# Altium PCB AIRZAI BASE BOARD REV B.PcbDoc (part 1 of 2) (continued)
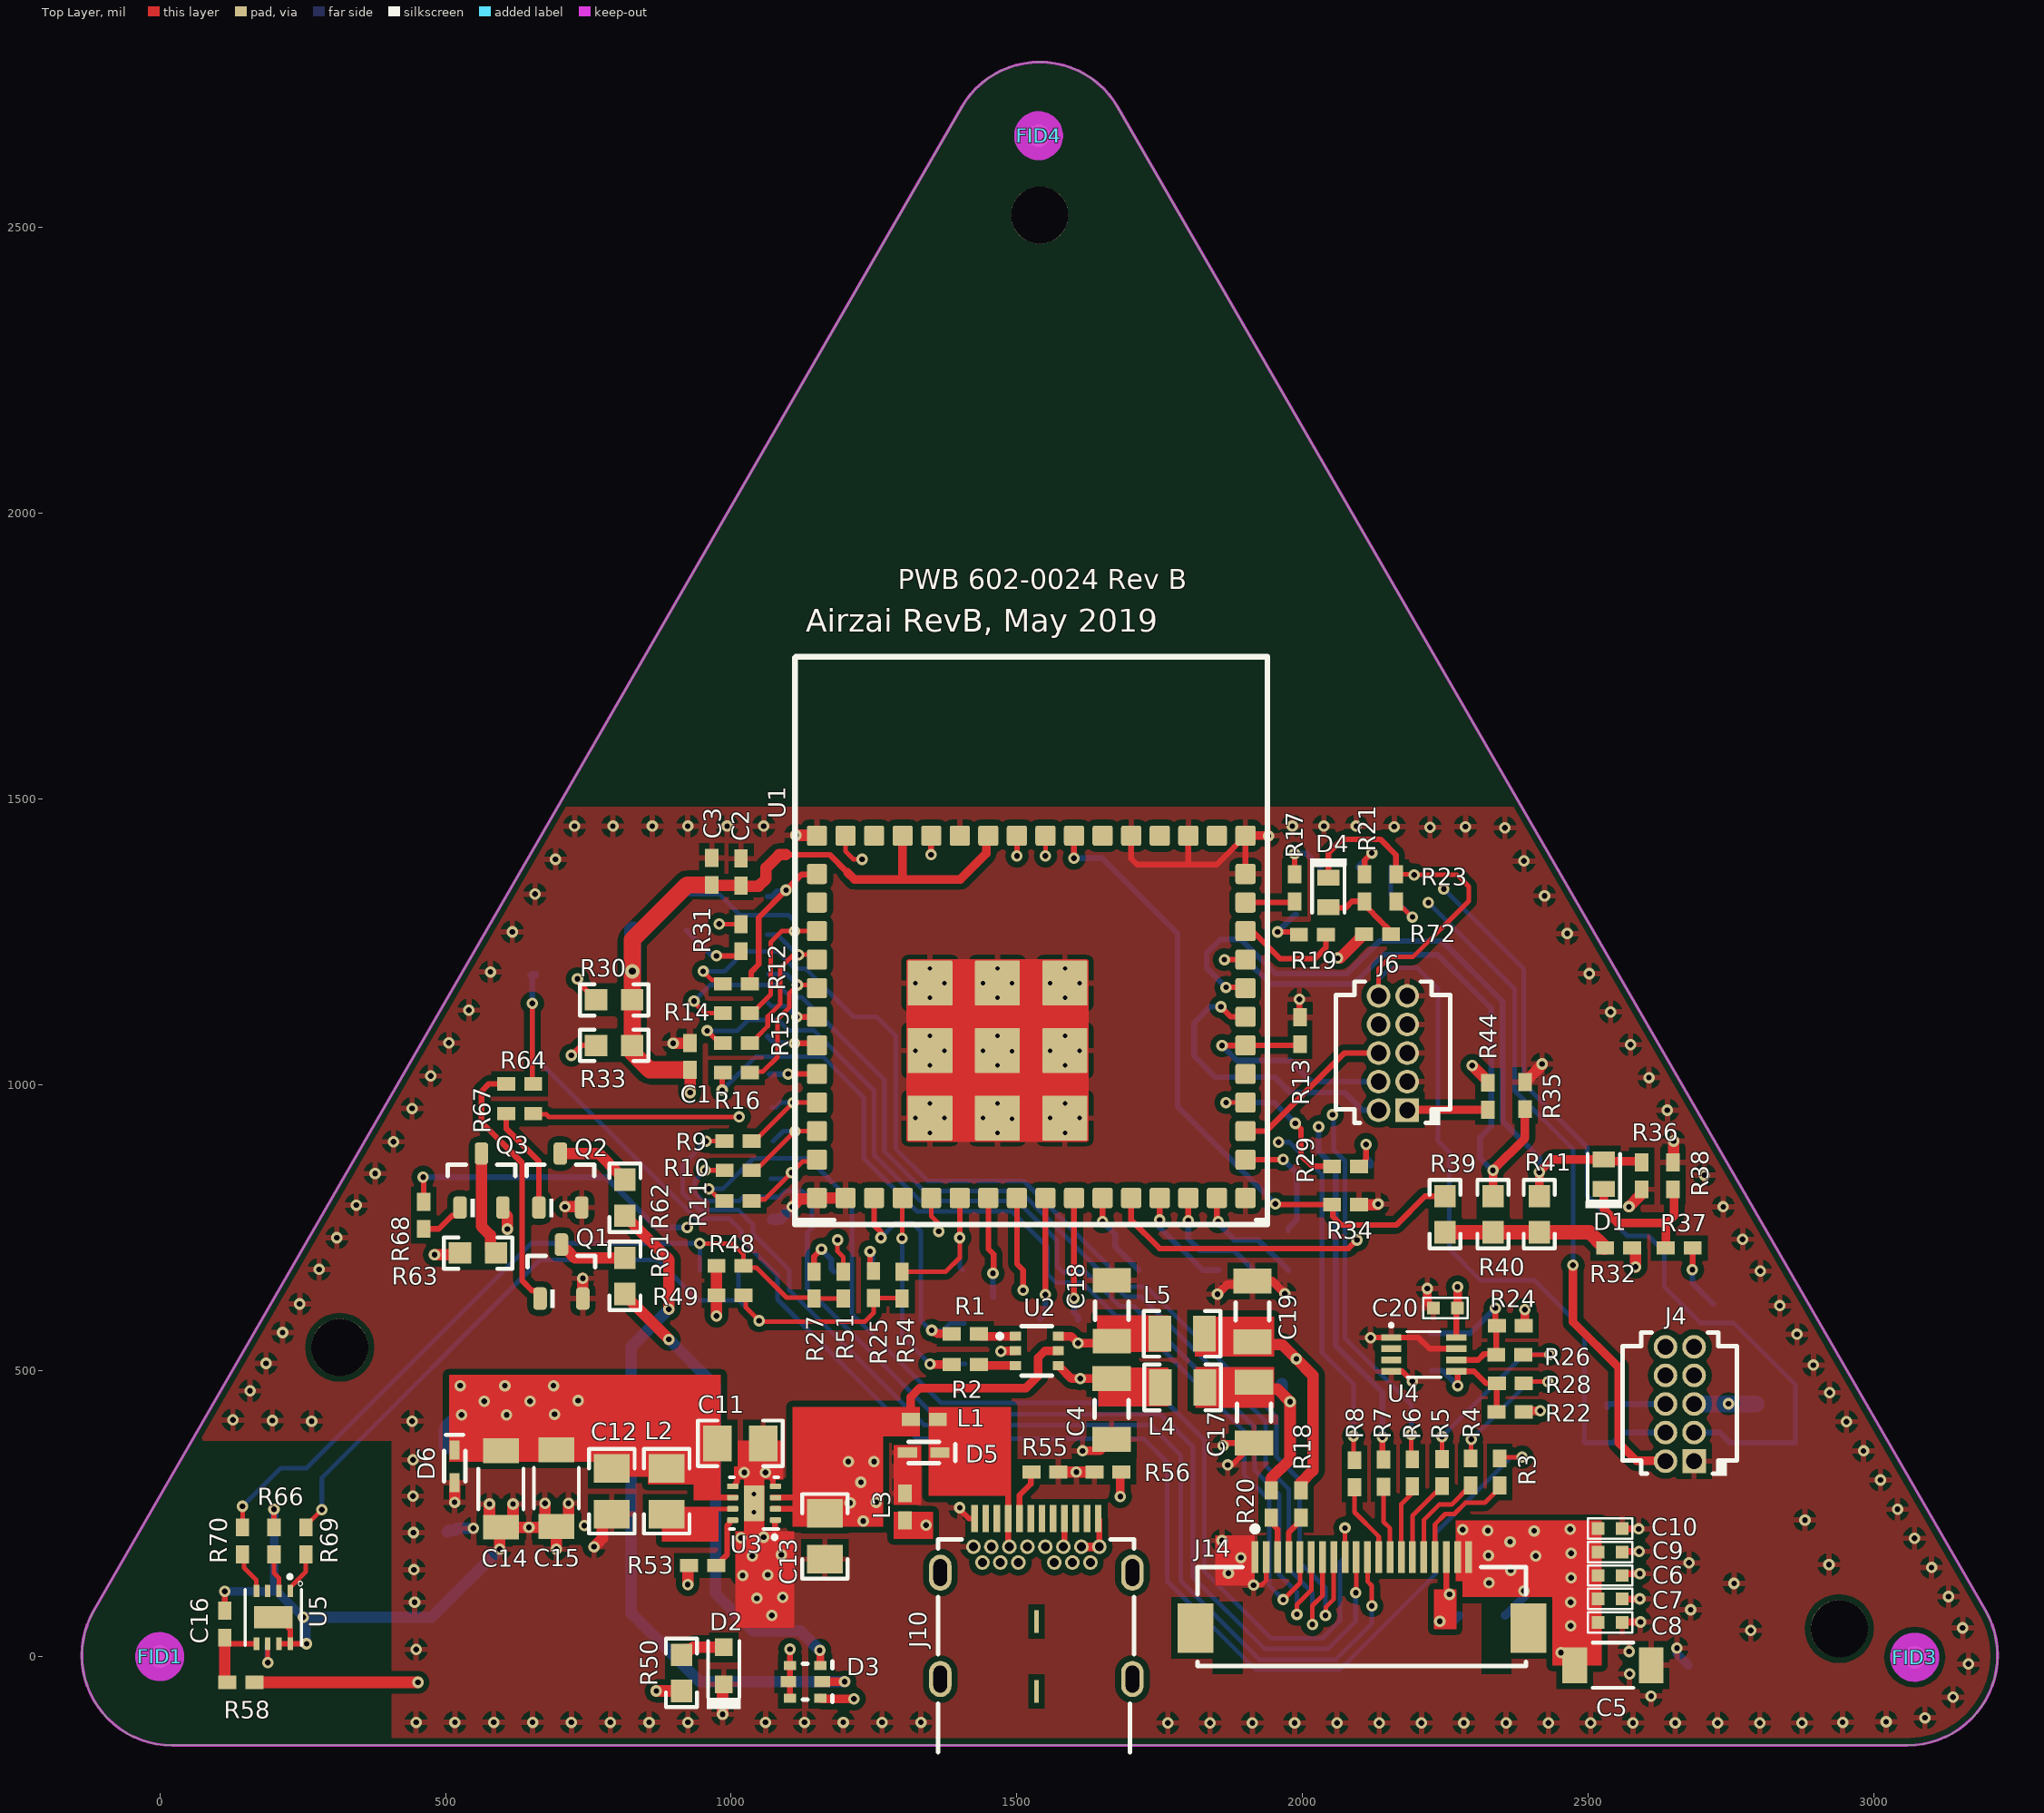
[diagram p0: Top Layer view]
## Components (designator, comment, footprint, x,y, rotation, side; value= is the part's Value field where it differs from the comment)
C1 "GRM155R61A104KA01D" 0402 928,1050 r90 top value=0.1uF
C2 "GRM155R61A104KA01D" 0402 1017.19,1372.65 r90 top value=0.1uF
C3 "GRM155R61A104KA01D" 0402 966.19,1373.65 r90 top value=0.1uF
C4 "GRM3195C1H273JA01D" 1206CAP 1665.64,433.15 r270 top value=27nF
C5 "GRM31CR60J107ME39L" 1206_180 2543,-15 r0 top value=100uF
C6 "C1005X5R0J475M050BC" SM0402_BTD.1SM_ACT_H55_CAP_WSS 2517,142 r0 top value=4.7uF
C7 "C1005X5R0J475M050BC" SM0402_BTD.1SM_ACT_H55_CAP_WSS 2517,101 r0 top value=4.7uF
C8 "C1005X5R0J475M050BC" SM0402_BTD.1SM_ACT_H55_CAP_WSS 2517,60 r0 top value=4.7uF
C9 "C1005X5R1A104K050BA" SM0402_BTD.1SM_ACT_H55_CAP_WSS 2517,183 r0 top value=0.1uF
C10 "C1005X5R1A104K050BA" SM0402_BTD.1SM_ACT_H55_CAP_WSS 2517,224 r0 top value=0.1uF
C11 "C2012X5R1C226K125AC" 0805_HV 1016,373 r0 top value=22uF
C12 "GRM21BR61A106KE19L" 0805_HV 791,289.4 r270 top value=10uF
C13 "GRM21BR61A106KE19L" 0805_HV 1164,210.4 r270 top value=10uF
C14 "GRM31CR60J107ME39L" 1206_180 597,293.4 r270 top value=100uF
C15 "GRM31CR60J107ME39L" 1206_180 694,294.78 r270 top value=100uF
C16 "GRM155R61A104KA01D" 0402 113.82,56.88 r90 top value=0.1uF
C17 "GRM3195C1H273JA01D" 1206CAP 1915,427 r270 top value=27nF
C18 "GRM3195C1H273JA01D" 1206CAP 1666,605 r90 top value=27nF
C19 "GRM3195C1H273JA01D" 1206CAP 1912,604 r90 top value=27nF
C20 "C1005X5R1A104K050BA" SM0402_BTD.1SM_ACT_H55_CAP_WSS 2271.03,609.81 r180 top value=0.1uF
D1 "CD0603-B00340" Diode_0603 2527,844 r90 top value=45V
D2 "SML-311UTT86" SML-31_Red 987,-16 r90 top value=Red
D3 "EAST1616RGBA8" EAST1616_RGB 1129.53,-44 r90 top value=Rgb
D4 "CD0603-B00340" Diode_0603 2045,1337 r270 top value=45V
D5 "UCLAMP0501H.TCT" SOD-523 1337,357 r180 top
D6 "UCLAMP3301H.TCT" SOD-523 516,333 r270 top
FID1 "Fiducial" Fiducial10-20 0,0 r90 top
FID3 "Fiducial" Fiducial10-20 3071,-1 r90 top
FID4 "Fiducial" Fiducial10-20 1538,2661 r90 top
J4 "FTSH-105-01-F-D-K" Samtec_FTSH-105-01-x-D-K 2660,442 r180 top
J6 "FTSH-105-01-F-D-K" Samtec_FTSH-105-01-x-D-K 2158,1056 r180 top
J10 "632723300011" 632723300011 1534,8 r0 top locked
J14 "52892-2033" MOLX-52892-2033 2103.66,112.22 r0 top locked
L1 "BLM15AG100SN1D" 0402 1338,415 r180 top value="10 ohm"
L2 "BRC2012T2R2MD" 0805_HV 887,289.4 r90 top value=2.2uH
L3 "BLM15AG100SN1D" 0402 1304,262 r90 top value="10 ohm"
L4 "MLF2012C101KTD25" 0805_Inductor 1790,471 r0 top value=100uH
L5 "MLF2012C101KTD25" 0805_Inductor 1789,565 r0 top value=100uH
Q1 "BSS138" SOT-23 703,673.62 r90 top value=50V
Q2 "BSS138" SOT-23 701,833 r90 top value=50V
Q3 "BSS138" SOT-23 563,833 r90 top value=50V
R1 "ERJ-2GE0R00X" 0402 1409.67,564.72 r0 top
R2 "ERJ-2GE0R00X" 0402 1409.67,511 r0 top
R3 "ERJ-2GE0R00X" 0402 2345,323 r90 top value=0
R4 "ERJ-2GE0R00X" 0402 2294,323 r90 top value=0
R5 "ERJ-2GE0R00X" 0402 2244,322 r90 top value=0
R6 "ERJ-2GE0R00X" 0402 2192,321.62 r90 top value=0
R7 "ERJ-2GE0R00X" 0402 2141.35,321 r90 top value=0
R8 "ERJ-2GE0R00X" 0402 2090.61,320 r90 top value=0
R9 "ERJ-2GE0R00X" 0402 1012,901.79 r0 top value=0
R10 "ERJ-2GE0R00X" 0402 1012.07,850.79 r0 top value=0
R11 "ERJ-2GE0R00X" 0402 1012,797.41 r0 top value=0
R12 "ERJ-2GE0R00X" 0402 1009.05,1177 r0 top value=0
R13 "CRCW0402100KJNED" 0402 1995.39,1095 r90 top value=100k
R14 "ERJ-2GE0R00X" 0402 1009,1126 r0 top value=0
R15 "ERJ-2GE0R00X" 0402 1009,1073.62 r0 top value=0
R16 "ERJ-2GE0R00X" 0402 1009,1022 r0 top value=0
R17 "ERJ-2GE0R00X" 0402 1986,1345 r270 top value=0
R18 "ERJ-2GE0R00X" 0402 1997,267 r90 top value=0
R19 "ERJ-2GE0R00X" 0402 2017,1263 r0 top value=0
R20 "ERJ-2GE0R00X" 0402 1945.02,267 r90 top value=0
R21 "ERJ-2GE0R00X" 0402 2108,1345 r270 top value=0
R22 "RMCF0402JT4K70" 0402 2363.03,427.81 r0 top
R23 "ERJ-2GE0R00X" 0402 2164,1345 r90 top value=0
R24 "RMCF0402JT4K70" 0402 2363.38,579.01 r0 top
R25 "ERJ-2GE0R00X" 0402 1249,651 r270 top value=0
R26 "ERJ-2GE0R00X" 0402 2362.38,528 r180 top
R27 "ERJ-2GE0R00X" 0402 1145,650 r270 top value=0
R28 "ERJ-2GE0R00X" 0402 2363.38,478 r180 top
R29 "ERJ-2GE0R00X" 0402 2075,857.79 r180 top value=0
R30 "RC0603JR-070RL" 0603 795,1149 r0 top value=0
R31 "ERJ-2GE0R00X" 0402 1017.19,1257.76 r90 top value=0
R32 "CRCW0402270RJNED" 0402 2553,715 r180 top value=270
R33 "RC0603JR-070RL" 0603 795,1069.39 r0 top value=0
R34 "CRCW0402100KJNED" 0402 2075,790.79 r180 top value=100k
R35 "CRCW0402100KJNED" 0402 2388.96,981.65 r90 top value=100k
R36 "CRCW0402100KJNED" 0402 2593,841 r270 top value=100k
R37 "CRCW04022K20JNED" 0402 2659,715 r0 top value=2.2k
R38 "CRCW040210K0JNED" 0402 2648,841 r90 top value=10k
R39 "RC0603JR-070RL" 0603 2249,774 r270 top value=0
R40 "RC0603JR-070RL" 0603 2333,774 r270 top value=0
R41 "RC0603JR-070RL" 0603 2414,774 r270 top value=0
R44 "CRCW04021K00JNED" 0402 2324,980.38 r270 top value=1.0k
R48 "=PartNumber" 0402 998,684 r0 top value=4.7k
R49 "=PartNumber" 0402 998,632 r0 top value=4.7k
R50 "RC0603JR-07750RL" 0603 913,-28.52 r270 top value=750
R51 "ERJ-2GE0R00X" 0402 1196,650 r270 top value=0
R53 "CRCW0402100KJNED" 0402 950,159.4 r180 top value=100k
R54 "ERJ-2GE0R00X" 0402 1299,650 r270 top value=0
R55 "CRCW040210K0JNED" 0402 1549,323 r0 top value=10k
R56 "CRCW040210K0JNED" 0402 1659.26,323 r180 top value=10k
R58 "ERJ-2GE0R00X" 0402 142,-45 r0 top value=0
R61 "RC0603JR-07750RL" 0603 814,666 r270 top value=750
R62 "RC0603JR-07750RL" 0603 814,803 r270 top value=750
R63 "RC0603JR-07750RL" 0603 557,706 r180 top value=750
R64 "ERJ-2GE0R00X" 0402 630,1002 r180 top value=0
R66 "ERJ-2GE0R00X" 0402 199.82,202.51 r270 top value=0
R67 "ERJ-2GE0R00X" 0402 630,950 r180 top value=0
R68 "ERJ-2GE0R00X" 0402 462,772 r270 top value=0
R69 "ERJ-2GE0R00X" 0402 255.82,202.51 r270 top value=0
R70 "ERJ-2GE0R00X" 0402 144.82,202.51 r270 top value=0
R72 "CRCW0402100KJNED" 0402 2131,1264 r0 top value=100k
TP1 "WIREPT" TP_0.9MM 1975,676 r90 bottom
TP2 "WIREPT" TP_0.9MM 1914,676 r90 bottom
TP3 "WIREPT" TP_0.9MM 1975,746 r90 bottom
TP4 "WIREPT" TP_0.9MM 1853,676 r90 bottom
TP6 "WIREPT" TP_0.9MM 503,369 r90 bottom
TP7 "WIREPT" TP_0.9MM 1142,369 r90 bottom
TP8 "WIREPT" TP_0.9MM 945,676 r90 bottom
TP9 "WIREPT" TP_0.9MM 1013,677 r90 bottom
TP10 "WIREPT" TP_0.9MM 2274,72 r90 bottom
TP11 "WIREPT" TP_0.9MM 2354,72 r90 bottom
TP12 "WIREPT" TP_0.9MM 652,1191 r90 bottom
TP13 "WIREPT" TP_0.9MM 1070.88,961 r90 bottom
TP14 "WIREPT" TP_0.9MM 1073,902.18 r90 bottom
TP15 "WIREPT" TP_0.9MM 1069.49,836.14 r90 bottom
TP16 "WIREPT" TP_0.9MM 1064,1085 r90 bottom
TP17 "WIREPT" TP_0.9MM 1067,1020 r90 bottom
TP18 "WIREPT" TP_0.9MM 1063,1145 r90 bottom
TP19 "WIREPT" TP_0.9MM 1676.98,486 r90 bottom
TP21 "WIREPT" TP_0.9MM 1963.75,546.25 r90 bottom
TP22 "WIREPT" TP_0.9MM 2718,617.5 r90 bottom
TP23 "WIREPT" TP_0.9MM 2031,1381 r90 bottom
TP24 "WIREPT" TP_0.9MM 1989,1298 r90 bottom
TP25 "WIREPT" TP_0.9MM 2097,1381 r90 bottom
TP26 "WIREPT" TP_0.9MM 2154,1382 r90 bottom
TP27 "WIREPT" TP_0.9MM 1242,675 r90 bottom
TP28 "WIREPT" TP_0.9MM 1180,674 r90 bottom
TP29 "WIREPT" TP_0.9MM 2119,858.72 r90 bottom
TP30 "WIREPT" TP_0.9MM 922,1271 r90 bottom
TP31 "WIREPT" TP_0.9MM 1963.75,477.65 r90 bottom
TP32 "WIREPT" TP_0.9MM 1063,1263 r90 bottom
TP33 "WIREPT" TP_0.9MM 1064,1204 r90 bottom
TP34 "WIREPT" TP_0.9MM 1064,1330 r90 bottom
TP35 "WIREPT" TP_0.9MM 922,1334 r90 bottom
TP36 "WIREPT" TP_0.9MM 188.03,19.58 r90 bottom
TP37 "WIREPT" TP_0.9MM 828,1271.56 r90 bottom
TP38 "WIREPT" TP_0.9MM 503,218 r90 bottom
TP39 "WIREPT" TP_0.9MM 2097,1300 r90 bottom
TP40 "WIREPT" TP_0.9MM 1073,765 r90 bottom
TP41 "WIREPT" TP_0.9MM 2675,-15 r90 bottom
TP42 "WIREPT" TP_0.9MM 1028,369 r90 bottom
TP43 "WIREPT" TP_0.9MM 2493,376.6 r90 bottom
TP44 "WIREPT" TP_0.9MM 2533,442 r90 bottom
TP45 "WIREPT" TP_0.9MM 2320,9 r90 bottom
TP46 "WIREPT" TP_0.9MM 2862,374 r90 bottom
TP47 "WIREPT" TP_0.9MM 2793,442 r90 bottom
TP48 "WIREPT" TP_0.9MM 1408,582.85 r90 bottom
TP49 "WIREPT" TP_0.9MM 1410,513 r90 bottom
TP50 "WIREPT" TP_0.9MM 1541,591.22 r90 bottom
TP51 "WIREPT" TP_0.9MM 1607,589 r90 bottom
TP53 "WIREPT" TP_0.9MM 1405,676 r90 bottom
TP54 "WIREPT" TP_0.9MM 1458.54,629 r90 bottom
TP55 "WIREPT" TP_0.9MM 1511,676 r90 bottom
TP56 "WIREPT" TP_0.9MM 1713,676 r90 bottom
TP57 "WIREPT" TP_0.9MM 828,1337 r90 bottom
TP58 "WIREPT" TP_0.9MM 1676.98,557.85 r90 bottom
TP60 "TESTPOINT" TP_0.9MM 2224,566 r90 bottom
TP61 "TESTPOINT" TP_0.9MM 2225.35,500.19 r90 bottom
U1 "CC3220MODASF12MONR" MON0063A 1525,1266 r90 top locked
U2 "NC7WZ17P6X" SC-70-NC7WZ17P6X 1535,535 r270 top
U3 "TPS62162DSGR" DSG0008A 1040,268.4 r180 top
U4 "Apple CP" XDFN-8P-Apple 2212.03,528.81 r0 top
U5 "SHT30-DIS-B" DFN250X250X100-9N 198.82,68.79 r270 top

## Footprints (in the part's own frame and the unit in brackets; to place one, negate y for a bottom-side part, rotate by r counter-clockwise, add the part's x,y. Pads: shape width x height; smd on the part's side, far side on the other; paste and mask are expansions set on the pad)
0402 [mm] "0402 from SM-752 data"
  rect 0.8x0.6 smd: 1(-0.6,0) 2(0.6,0)
  body extent -0.55,-0.3 0.55,0.3, height 0.6
0603 [mm] "0603 from SM-752 data"
  rect 1x0.95 smd: 1(-0.8,0) 2(0.8,0)
  silkscreen extent -1.52,-0.69 1.52,0.69, body extent -0.87,-0.47 0.87,0.47, height 0.85
0805_HV [mil] "0805 with 30mil clearance between pads"
  rect 50x63 smd: 1(-40,0) 2(40,0)
  silkscreen extent -74,-40 74,40, body extent -43,-29 43,29, height 43
0805_Inductor [mil] "0805 with 30mil clearance between pads"
  rect 39.37x63 smd: 1(-39,0) 2(39,0)
  silkscreen extent -67,-40 67,40, body extent -43,-29 43,29, height 43
1206_180 [mm]
  rect 1.1x1.6 smd: 1(-1.7,0) 2(1.7,0)
  silkscreen extent -0.9,-1 0.9,1, body extent -1.75,-0.95 1.75,0.95, height 1.8
1206CAP [mm] "Chip Capacitor, Body 3.2x1.6mm, IPC High Density"
  rect 1.1x1.7 smd: 1(-1.35,0) 2(1.35,0)
  silkscreen extent -0.4,-0.75 0.4,0.75, body extent -1.6,-0.8 1.6,0.8, height 1
632723300011 [mm] "USB 3.1 Type C Receptacle Horizontal THR"
  rect 0.3x1.2 smd: A1(-2.75,5.93) A2(-2.25,5.93) A3(-1.75,5.93) A4(-1.25,5.93) A5(-0.75,5.93) A6(-0.25,5.93) A7(0.25,5.93) A8(0.75,5.93) A9(1.25,5.93) A10(1.75,5.93) A11(2.25,5.93) A12(2.75,5.93)
  round 0.65 hole 0.4: B1(2.8,4.68) B2(2.4,3.98) B3(1.6,3.98) B4(1.2,4.68) B5(0.8,3.98) B6(0.4,4.68) B7(-0.4,4.68) B8(-0.8,3.98) B9(-1.2,4.68) B10(-1.6,3.98) B11(-2.4,3.98) B12(-2.8,4.68) G1(2,4.68) G2(-2,4.68)
  oval 1x1.6 hole 0.6 slot 1.2 at 90 deg: Shell(-4.27,-1.2) Shell(-4.27,3.53) Shell(4.27,-1.2) Shell(4.27,3.53)
  rect 0.2x1 smd: Shell(0,-1.75) Shell(0,1.35)
  silkscreen extent -4.37,-4.45 4.34,5, body extent -4.37,-5.6 4.37,6.19, height 3.05
DFN250X250X100-9N [mm]
  rect 0.55x0.25 smd: 1(-1.175,0.75) 2(-1.175,0.25) 3(-1.175,-0.25) 4(-1.175,-0.75) 5(1.175,-0.75) 6(1.175,-0.25) 7(1.175,0.25) 8(1.175,0.75)
  rect 1x1.7 smd: 9(0,0)
  silkscreen extent -1.84,-1.25 1.25,1.3
Diode_0603 [mm] "Based on Bourns recommended land pattern Rev 10/09"
  rect 0.7x1 smd: 1(-0.65,0) 2(0.65,0)
  silkscreen extent -1.5,-0.8 0.9,0.8, body extent -0.9,-0.5 0.9,0.5, height 0.85
DSG0008A [mm]
  rrect40% 0.5x0.25 smd: 1(-0.95,0.75) 2(-0.95,0.25) 3(-0.95,-0.25) 4(-0.95,-0.75) 5(0.95,-0.75) 6(0.95,-0.25) 7(0.95,0.25) 8(0.95,0.75)
  rrect11% 0.9x1.6 smd paste-0.45: 9(0,0)
  silkscreen extent -1.07,-1.15 1.07,1.15, body extent -1.05,-1.05 1.05,1.05, height 0.8
EAST1616_RGB [mm]
  rect 0.4x0.55 smd: 1(-0.725,0.675) 2(-0.725,-0.675) 5(0.725,0.675) 6(0.725,-0.675)
  rect 0.5x0.7 smd: 3(0,0.75) 4(0,-0.75)
  silkscreen extent -0.9,-1.2 0.9,0.1, body extent -0.8,-0.8 0.8,0.8, height 0.5
Fiducial10-20 [mm]
  round 1 smd mask+0.5: 1(0,0)
  Top Layer keep-out circle w1.178: c0,0 r0.5
MOLX-52892-2033 [mm] "FPC Connector, 20-Leads, Right Angle, Pitch 0.5 mm, Mated Height 2.0 mm, SMT"
  rect 0.3x1.4 smd: 1(-4.75,1.575) 2(-4.25,1.575) 3(-3.75,1.575) 4(-3.25,1.575) 5(-2.75,1.575) 6(-2.25,1.575) 7(-1.75,1.575) 8(-1.25,1.575) 9(-0.75,1.575) 10(-0.25,1.575) 11(0.25,1.575) 12(0.75,1.575) 13(1.25,1.575) 14(1.75,1.575) 15(2.25,1.575) 16(2.75,1.575) 17(3.25,1.575) 18(3.75,1.575) 19(4.25,1.575) 20(4.75,1.575)
  rect 1.6x2.2 smd: MP1(-7.4,-1.575) MP2(7.4,-1.575)
  silkscreen extent -7.3,-3.28 7.3,2.95, body extent -7.7,-3.77 7.7,1.73, height 2.05
MON0063A [mm]
  rrect22% 0.9x0.9 smd paste-0.05 mask-0.05: 1(-11.774,9.524) 2(-11.774,8.255) 3(-11.774,6.985) 4(-11.774,5.715) 5(-11.774,4.445) 6(-11.774,3.175) 7(-11.774,1.905) 8(-11.774,0.635) 9(-11.774,-0.635) 10(-11.774,-1.905) 11(-11.774,-3.175) 12(-11.774,-4.445) 13(-11.774,-5.715) 14(-11.774,-6.985) 15(-11.774,-8.255) 16(-11.774,-9.524) 17(-10.074,-9.524) 18(-8.804,-9.524) 19(-7.534,-9.524) 20(-6.264,-9.524) 21(-4.994,-9.524) 22(-3.724,-9.524) 23(-2.454,-9.524) 24(-1.184,-9.524) 25(0.086,-9.524) 26(1.356,-9.524) 27(2.626,-9.524) 28(4.326,-9.524) 29(4.326,-8.255) 30(4.326,-6.985) 31(4.326,-5.715) 32(4.326,-4.445) 33(4.326,-3.175) 34(4.326,-1.905) 35(4.326,-0.635) 36(4.326,0.635) 37(4.326,1.905) 38(4.326,3.175) 39(4.326,4.445) 40(4.326,5.715) 41(4.326,6.985) 42(4.326,8.255) 43(4.326,9.524) 44(2.626,9.524) 45(1.356,9.524) 46(0.086,9.524) 47(-1.184,9.524) 48(-2.454,9.524) 49(-3.724,9.524) 50(-4.994,9.524) 51(-6.264,9.524) 52(-7.534,9.524) 53(-8.804,9.524) 54(-10.074,9.524)
  rrect50% 0.89x0.89 on Top Paste: 55(-8.774,3.95) 55(-7.674,3.95) 56(-8.774,0.95) 56(-8.774,2.05) 56(-7.674,0.95) 56(-7.674,2.05) 57(-8.774,-2.05) 57(-8.774,-0.95) 57(-7.674,-2.05) 57(-7.674,-0.95) 58(-5.774,3.95) 58(-5.774,5.05) 58(-4.674,3.95) 58(-4.674,5.05) 59(-5.774,0.95) 59(-5.774,2.05) 59(-4.674,0.95) 59(-4.674,2.05) 60(-5.774,-2.05) 60(-5.774,-0.95) 60(-4.674,-2.05) 60(-4.674,-0.95) 61(-2.774,3.95) 61(-2.774,5.05) 61(-1.674,3.95) 61(-1.674,5.05) 62(-2.774,0.95) 62(-2.774,2.05) 62(-1.674,0.95) 62(-1.674,2.05) 63(-2.774,-2.05) 63(-2.774,-0.95) 63(-1.674,-2.05) 63(-1.674,-0.95)
  rrect5% 2x2 smd paste-1 mask-1: 55(-8.224,4.5)
  rrect5% 2x2 smd paste-1 mask+0: 56(-8.224,1.5) 57(-8.224,-1.5) 58(-5.224,4.5) 59(-5.224,1.5) 60(-5.224,-1.5) 61(-2.224,4.5) 62(-2.224,1.5) 63(-2.224,-1.5)
  Top Layer region: -9.274,-2.45 -9.274,5.45 -9.274,5.47 -9.259,5.507 -9.231,5.535 -9.194,5.55 -9.174,5.55 -9.174,5.55 -1.274,5.55 -1.254,5.55 -1.217,5.535 -1.189,5.507 -1.174,5.47 -1.174,5.45 -1.174,5.45 -1.174,-2.45 -1.174,-2.47 -1.189,-2.507 -1.217,-2.535 -1.254,-2.55 -1.274,-2.55 -1.274,-2.55 -9.174,-2.55 -9.194,-2.55 -9.231,-2.535 -9.259,-2.507 -9.274,-2.47 -9.274,-2.45
  silkscreen extent -12.75,-10.5 -11.25,10.5, body extent -12.5,-10.25 12.5,10.25, height 2.32
Samtec_FTSH-105-01-x-D-K [mm]
  rect 1.05x1.05 hole 0.71: 1(-0.635,2.54)
  round 1.05 hole 0.71: 2(0.635,2.54) 3(-0.635,1.27) 4(0.635,1.27) 5(-0.635,0) 6(0.635,0) 7(-0.635,-1.27) 8(0.635,-1.27) 9(-0.635,-2.54) 10(0.635,-2.54)
  silkscreen extent -2.54,-3.17 2.54,3.2, body extent -2.54,-3.17 2.54,3.1, height 5.73
SC-70-NC7WZ17P6X [mm]
  rect 0.4x0.5 smd paste+0 mask+0: 1(-0.65,-0.95) 2(0,-0.95) 3(0.65,-0.95) 4(0.65,0.95) 5(0,0.95) 6(-0.65,0.95)
  silkscreen extent -1.1,-1.75 1.1,0.67, body extent -1.2,-1.3 1.2,1.3, height 0.25
SM0402_BTD.1SM_ACT_H55_CAP_WSS [mil]
  rect 22x22 smd mask+4: 1(0,0) 2(42,0)
  silkscreen extent -18,-18 60,18, body extent -1,-10 44,10, height 26
SML-31_Red [mm] "Rohm"
  rect 0.8x0.8 smd: 1(-0.825,0) 2(0.825,0)
  silkscreen extent -1.93,-0.76 1.1,0.76, body extent -0.85,-0.45 0.85,0.45, height 0.91
SOD-523 [mm] "SOD, 2-Leads"
  rect 0.85x0.45 smd: A(0.725,0) K(-0.725,0)
  silkscreen extent -1.4,-0.48 0.67,0.48, body extent -0.9,-0.45 0.9,0.45, height 0.6
SOT-23 [mm]
  rrect50% 1x0.6 smd: 1(-1.2,0.95) 2(-1.2,-0.95) 3(1.2,0)
  silkscreen extent -1.62,-1.5 0.7,1.5, body extent -1.16,-1.45 1.21,1.45, height 1
TP_0.9MM [mm]
  round 0.9 smd paste-5 mask+0.05: 1(0,0)
  silkscreen extent -0.56,-0.56 0.56,0.56
XDFN-8P-Apple [mm] "XDFN, 8-Leads, Body 3.00x2.00mm, Pitch 0.50mm, IPC Medium Density"
  rect 0.9x0.3 smd: 1(-1.45,0.75) 2(-1.45,0.25) 3(-1.45,-0.25) 4(-1.45,-0.75) 5(1.45,-0.75) 6(1.45,-0.25) 7(1.45,0.25) 8(1.45,0.75)
  silkscreen extent -1.5,-1.02 0.76,1.35, body extent -1.5,-1 1.5,1, height 0.41

## Part data
C1 C2 C3 C16: "CAP, CERM, 0.1 µF, 10 V, +/- 10%, X5R, 0402", Cap_Case=0402, Manufacturer=MuRata, Supplier Part Number 1=490-1318-1-ND, TempCo=X5R, Tolerance_%=10, Value1=Unknown, Value2=10V, ValueDisplayed=0.1µF, AEC Category=Q200, AEC Qualified=?, Cap_F=0.0000001, ComponentLink1Description="Datasheet link", ComponentLink1URL=http://search.murata.co.jp/Ceramy/PnsearchViewAction.do?HnOFG=ON&HnNFG=ON&SEL_CNT=50&sLang=en&sKey=GRM155R61A104KA01D&x=9&y=9&search=startwith, CompType=Capacitor, LatestRevisionDate=2016-08-14, MountType=SMT, PackageReference=0402, PartNumber=GRM155R61A104KA01D, Polarized=N, Published=2008-06-19, Publisher="Texas Instruments", RoHS=Y, SizeArea_mm2=0.5, SizeAreaWB_mm2=3, SizeX_mm=1, SizeY_mm=0.5, SizeZ_mm=0.6, Supplier 1=Digi-Key, Supplier 2=Mouser, Supplier 3=Farnell, Supplier Part Number 2=81-GRM155R61A104KA01, Supplier Part Number 3=1828862, SymbolVersion=2008-07-09, TaMax_C=85, TaMin_C=-55, Technology=Ceramic, U/M=EA, VDC_V=10
C4 C17 C18 C19: "1206 27 nF 50 V ±5% Tolerance C0G SMT Multilayer Ceramic Capacitor", Package="1206 Murata", Availability=Unavailable, MF="Murata Electronics", MP=GRM3195C1H273JA01D, Price=None, SnapEDA_Link=https://www.snapeda.com/parts/GRM3195C1H273JA01D/Murata%20Electronics%20North%20America/view-part/?ref=snap
C5: "CAP, CERM, 100 µF, 6.3 V, +/- 20%, X5R, 1206", Cap_Case=1206, Manufacturer=MuRata, Supplier Part Number 1=490-4539-1-ND, TempCo=X5R, Tolerance_%=20, Value1="0.003 ohm", Value2=6.3V, ValueDisplayed=100µF, AEC Category=Q200, AEC Qualified=?, Cap_F=0.0001, ComponentLink1Description="Datasheet link", ComponentLink1URL=http://search.murata.co.jp/Ceramy/PnsearchViewAction.do?HnOFG=ON&HnNFG=ON&SEL_CNT=50&sLang=en&sKey=GRM31CR60J107ME39L&x=9&y=9&search=startwith, CompType=Capacitor, ESR_ohm=0.003, LatestRevisionDate=2016-07-02, MountType=SMT, PackageReference=1206, PartNumber=GRM31CR60J107ME39L, Polarized=N, Published=2008-06-19, Publisher="Texas Instruments", RoHS=Y, SizeArea_mm2=5.12, SizeAreaWB_mm2=10.92, SizeX_mm=3.2, SizeY_mm=1.6, SizeZ_mm=1.8, Supplier 1=Digi-Key, Supplier 2=Mouser, Supplier 3=Farnell, Supplier Part Number 2=81-GRM31CR60J107ME9L, Supplier Part Number 3=1735535, SymbolVersion=2008-07-09, TaMax_C=85, TaMin_C=-55, Technology=Ceramic, U/M=EA, VDC_V=6.3
C6: "CAP, CERM, 4.7 µF, 6.3 V, +/- 20%, X5R, 0402", Manufacturer=TDK, PartNumber=C1005X5R0J475M050BC
C7 C8: "CAP, CERM, 4.7 µF, 6.3 V, +/- 20%, X5R, 0402", Cap_Case=0402, Manufacturer=TDK, Supplier Part Number 1=445-7395-1-ND, TempCo=X5R, Tolerance_%=20, Value1=Unknown, Value2=6.3V, ValueDisplayed=4.7µF, Cap_F=0.0000047, ComponentLink1Description="Datasheet link", ComponentLink1URL=http://www.tdk.com/pdf/TDKMLCCCapRange.pdf, CompType=Capacitor, LatestRevisionDate=2015-02-23, MountType=SMT, PackageReference=0402, PartNumber=C1005X5R0J475M050BC, Polarized=N, Published=2008-06-19, Publisher="Texas Instruments", RoHS=Y, Supplier 1=Digi-Key, Supplier 2=Farnell, Supplier 3=Newark, Supplier Part Number 2=1962109, Supplier Part Number 3=48T2906, SymbolVersion=2008-07-09, TaMax_C=85, TaMin_C=-55, Technology=Ceramic, U/M=EA, VDC_V=6.3
C9: "CAP, CERM, 0.1 µF, 10 V, +/- 10%, X5R, 0402", Cap_Case=0402, Manufacturer=TDK, Supplier Part Number 1=445-1265-1-ND, TempCo=X5R, Tolerance_%=10, Value1=Unknown, Value2=10V, ValueDisplayed=0.1µF, Cap_F=0.0000001, ComponentLink1Description="Datasheet link", ComponentLink1URL=http://product.tdk.com/en/catalog/datasheets/mlcc_commercial_general_en.pdf, CompType=Capacitor, LatestRevisionDate=2015-02-23, MountType=SMT, PackageReference=0402, PartNumber=C1005X5R1A104K050BA, Polarized=N, Published=2008-06-19, Publisher="Texas Instruments", RoHS=Y, Supplier 1=Digi-Key, Supplier 2=Mouser, Supplier 3=Farnell, Supplier Part Number 2=810-C1005X5R1A104K, Supplier Part Number 3=2368215, SymbolVersion=2008-07-09, TaMax_C=85, TaMin_C=-55, Technology=Ceramic, U/M=EA, VDC_V=10
C10 C20: "CAP, CERM, 0.1 µF, 10 V, +/- 10%, X5R, 0402", Cap_Case=SM0402_BTD.1SM_ACT, Manufacturer=TDK, Supplier Part Number 1=445-1265-1-ND, TempCo=X5R, Tolerance_%=10, Value1=Unknown, Value2=10V, ValueDisplayed=0.1µF, Cap_F=0.0000001, ComponentLink1Description="Datasheet link", ComponentLink1URL=http://product.tdk.com/en/catalog/datasheets/mlcc_commercial_general_en.pdf, CompType=Capacitor, LatestRevisionDate=2015-02-23, MountType=SMT, PackageReference=0402, PartNumber=C1005X5R1A104K050BA, Polarized=N, Published=2008-06-19, Publisher="Texas Instruments", RoHS=Y, Supplier 1=Digi-Key, Supplier 2=Mouser, Supplier 3=Farnell, Supplier Part Number 2=810-C1005X5R1A104K, Supplier Part Number 3=2368215, SymbolVersion=2008-07-09, TaMax_C=85, TaMin_C=-55, Technology=Ceramic, U/M=EA, VDC_V=10
C11: "CAP, CERM, 22 µF, 16 V, +/- 10%, X5R, 0805", Cap_Case=0805, Manufacturer=TDK, Supplier Part Number 1=445-6797-1-ND, TempCo=X5R, Tolerance_%=10, Value1=Unknown, Value2=16V, ValueDisplayed=22µF, AEC Category=Q200, AEC Qualified=?, Cap_F=0.000022, ComponentLink1Description="Datasheet link", ComponentLink1URL=http://product.tdk.com/capacitor/mlcc/en/documents/C2012X5R1C226K125AC.pdf, CompType=Capacitor, LatestRevisionDate=2016-07-02, MountType=SMT, PackageReference=0805, PartNumber=C2012X5R1C226K125AC, Polarized=N, Published=2008-06-19, Publisher="Texas Instruments", RoHS=Y, SizeArea_mm2=2.5, SizeAreaWB_mm2=6.75, SizeX_mm=2, SizeY_mm=1.25, SizeZ_mm=1.45, Supplier 1=Digi-Key, Supplier 2=Mouser, Supplier 3=Farnell, Supplier Part Number 2=810-C2012X5R1C226K, Supplier Part Number 3=2346925, SymbolVersion=2008-07-09, TaMax_C=85, TaMin_C=-55, Technology=Ceramic, U/M=EA, VDC_V=16
C12 C13: "CAP, CERM, 10 µF, 10 V, +/- 10%, X5R, 0805", Cap_Case=0805, Manufacturer=MuRata, Supplier Part Number 1=490-1709-1-ND, TempCo=X5R, Tolerance_%=10, Value1="0.002 ohm", Value2=10V, ValueDisplayed=10µF, AEC Category=Q200, AEC Qualified=?, Cap_F=0.00001, ComponentLink1Description="Datasheet link", ComponentLink1URL=http://search.murata.co.jp/Ceramy/PnsearchViewAction.do?HnOFG=ON&HnNFG=ON&SEL_CNT=50&sLang=en&sKey=GRM21BR61A106KE19L&x=9&y=9&search=startwith, CompType=Capacitor, ESR_ohm=0.002, LatestRevisionDate=2016-07-02, MountType=SMT, PackageReference=0805, PartNumber=GRM21BR61A106KE19L, Polarized=N, Published=2008-06-19, Publisher="Texas Instruments", RoHS=Y, SizeArea_mm2=2.5, SizeAreaWB_mm2=6.75, SizeX_mm=2, SizeY_mm=1.25, SizeZ_mm=1.45, Supplier 1=Digi-Key, Supplier 2=Mouser, Supplier 3=Farnell, Supplier Part Number 2=81-GRM21BR61A106KE19, Supplier Part Number 3=1828805, SymbolVersion=2008-07-09, TaMax_C=85, TaMin_C=-55, Technology=Ceramic, U/M=EA, VDC_V=10
C14 C15: "CAP, CERM, 100 µF, 6.3 V, +/- 20%, X5R, 1206", Cap_Case=1206, Manufacturer=MuRata, Supplier Part Number 1=81-GRM31CR60J107ME9L, TempCo=X5R, Tolerance_%=20, Value1="0.003 ohm", Value2=6.3V, ValueDisplayed=100µF, AEC Category=Q200, AEC Qualified=?, Cap_F=0.0001, ComponentLink1Description="Datasheet link", ComponentLink1URL=http://search.murata.co.jp/Ceramy/PnsearchViewAction.do?HnOFG=ON&HnNFG=ON&SEL_CNT=50&sLang=en&sKey=GRM31CR60J107ME39L&x=9&y=9&search=startwith, CompType=Capacitor, ESR_ohm=0.003, LatestRevisionDate=2016-07-02, MountType=SMT, PackageReference=1206, PartNumber=GRM31CR60J107ME39L, Polarized=N, Published=2008-06-19, Publisher="Texas Instruments", RoHS=Y, SizeArea_mm2=5.12, SizeAreaWB_mm2=10.92, SizeX_mm=3.2, SizeY_mm=1.6, SizeZ_mm=1.8, Supplier 1=Mouser, Supplier 2=Farnell, Supplier 3=Digi-Key, Supplier Part Number 2=1735535, Supplier Part Number 3=490-13981-6-ND, SymbolVersion=2008-07-09, TaMax_C=85, TaMin_C=-55, Technology=Ceramic, U/M=EA, VDC_V=6.3
D1 D4: "Diode, Schottky, 45 V, 0.03 A, 0603 Diode", Manufacturer=Bourns, Supplier Part Number 1=652-CD0603-B00340, Value1=0.03A, Value2=0.37V, AEC Category=Q101, AEC Qualified=?, ComponentLink1Description="Datasheet link", ComponentLink1URL=http://www.bourns.com/pdfs/SBCD0603_1005.pdf, CompType=Diode, Io_A=0.03, LatestRevisionDate=2016-07-03, MountType=SMT, PackageReference="0603 Diode", PartNumber=CD0603-B00340, Published=2008-06-26, Publisher="Texas Instruments", RoHS=Y, SizeArea_mm2=1.53, SizeAreaWB_mm2=5.13, SizeX_mm=1.7, SizeY_mm=0.9, SizeZ_mm=0.75, Supplier 1=Mouser, Supplier 2=Farnell, Supplier Part Number 2=1456534, SymbolVersion=2008-12-08, TJmax_C=125, Type=Schottky, U/M=EA, Vf_V=0.37, Vr_V=45
D2: "LED, Red, SMD", Color=red, Manufacturer=Rohm, Supplier Part Number 1=511-1304-1-ND, Value1=W, Value2=1.8V, ComponentLink1Description="Datasheet link", ComponentLink1URL=http://rohmfs.rohm.com/en/products/databook/datasheet/opto/led/chip_mono/sml-31.pdf, CompType=LED, Io_A=0.002, LatestRevisionDate=2016-06-29, MountType=SMT, PackageReference="LED, 1.6x.8x.8mm", PartNumber=SML-311UTT86, Published=2008-07-11, Publisher="Texas Instruments", RoHS=Y, Supplier 1=Digi-Key, Supplier 2=Mouser, Supplier 3=Farnell, Supplier Part Number 2=755-SML-311UTT86, Supplier Part Number 3=1685068, SymbolVersion=2008-11-06, Type=AlInGaP, U/M=EA, Vf_V=1.8
D3: "LED, Rgb, SMD", Color=RGB, Manufacturer=Everlight, Value1=W, Value2=3.7V, Angle=120, ComponentLink1Description="Datasheet link", ComponentLink1URL=https://everlightamericas.com/index.php?controller=attachment&id_attachment=2142, CompType=LED, Io_A=0.025, Ir_A=5e-005, LatestRevisionDate=2016-08-05, MountType=SMT, PackageReference=1.6x1.6mm, PartNumber=EAST1616RGBA8, Published=2008-07-11, Publisher="Texas Instruments", RoHS=Y, SizeArea_mm2=2.56, SizeAreaWB_mm2=6.76, SizeX_mm=1.6, SizeY_mm=1.6, SizeZ_mm=0.45, SymbolCreator=Altium, SymbolVersion=2016-08-05, TJmax_C=85, Type=InGaN, U/M=EA, Vf_V=3.7, Vr_V=5
D5: "TVS DIODE 5V 12.5V SOD523", Breakdown Voltage=6V, Capacitance=160pF, Clamping Voltage=12.5V, Leakage Current=5uA, Manufacturer=Semtech, Max Operating Temperature=125°C, Max Power Dissipation=240W, Min Operating Temperature=-55°C, Peak Pulse Current=16A, Power Line Protection=No, Reverse Standoff Voltage=5V, Supplier Part Number 1=UCLAMP0501HDKR-ND, Test Current=1mA, ComponentLink1Description=https://www.semtech.com/uploads/documents/uclamp3301h.pdf?src-supplier=Digi-Key, ComponentLink1URL=https://www.semtech.com/uploads/documents/uclamp3301h.pdf?src-supplier=Digi-Key, ComponentLink2Description=https://www.verical.com/server-webapp/html/getDatasheet?partID=141337&src-supplier=Verical, ComponentLink2URL=https://www.verical.com/server-webapp/html/getDatasheet?partID=141337&src-supplier=Verical, ComponentLink3Description=http://www.semtech.com/images/datasheet/uclamp3301h.pdf?src-supplier=Avnet, ComponentLink3URL=http://www.semtech.com/images/datasheet/uclamp3301h.pdf?src-supplier=Avnet, ComponentLink4Description=http://www.semtech.com/images/datasheet/uclamp0501h.pdf?src-supplier=Future+Electronics, ComponentLink4URL=http://www.semtech.com/images/datasheet/uclamp0501h.pdf?src-supplier=Future+Electronics, ComponentLink5Description=https://www.verical.com/server-webapp/html/getDatasheet?partID=51047&src-supplier=Verical, ComponentLink5URL=https://www.verical.com/server-webapp/html/getDatasheet?partID=51047&src-supplier=Verical, ComponentLink6Description=http://www.semtech.com/images/datasheet/uclamp0501h.pdf?src-supplier=Digi-Key, ComponentLink6URL=http://www.semtech.com/images/datasheet/uclamp0501h.pdf?src-supplier=Digi-Key, ComponentLink7Description=https://www.semtech.com/uploads/documents/uclamp0501h.pdf?src-supplier=Digi-Key, ComponentLink7URL=https://www.semtech.com/uploads/documents/uclamp0501h.pdf?src-supplier=Digi-Key, ComponentLink8Description=http://www.semtech.com/images/datasheet/uclamp0501h.pdf?src-supplier=Element14, ComponentLink8URL=http://www.semtech.com/images/datasheet/uclamp0501h.pdf?src-supplier=Element14, ComponentLink9Description=http://www.farnell.com/datasheets/1796175.pdf?src-supplier=Element14, ComponentLink9URL=http://www.farnell.com/datasheets/1796175.pdf?src-supplier=Element14, ComponentLink10Description=http://www.semtech.com/images/datasheet/uclamp0501h.pdf?src-supplier=Avnet, ComponentLink10URL=http://www.semtech.com/images/datasheet/uclamp0501h.pdf?src-supplier=Avnet, Composition=Zener, Depth=0.9mm, Direction=Unidirectional, Element Configuration=Single, Lead Free="Lead Free", Length=1.3mm, Manufacturer Part Number=UCLAMP0501H.TCT, Max Breakdown Voltage=6V, Min Breakdown Voltage=6V, Mount="Surface Mount", Number of Channels=1, Number of Elements=1, Number of Pins=2, Number of Unidirectional Channels=1, Packaging="Tape and Reel", PartNumber=UCLAMP0501H.TCT, Peak Pulse Power=240W, Polarity=Unidirectional, Pricing 1="1=0.65, 10=0.568, 25=0.5028, 100=0.438, 250=0.38124, 500=0.32446, 1000=0.25956 (USD)", Radiation Hardening=No, REACH SVHC="No SVHC", Reverse Breakdown Voltage=6V, Stock 1=63859, Supplier 1=Digi-Key, Voltage Rating (DC)=5V, Width=900um, Working Voltage=5V